# KiCad board kharon386_top.kicad_pcb (continued)
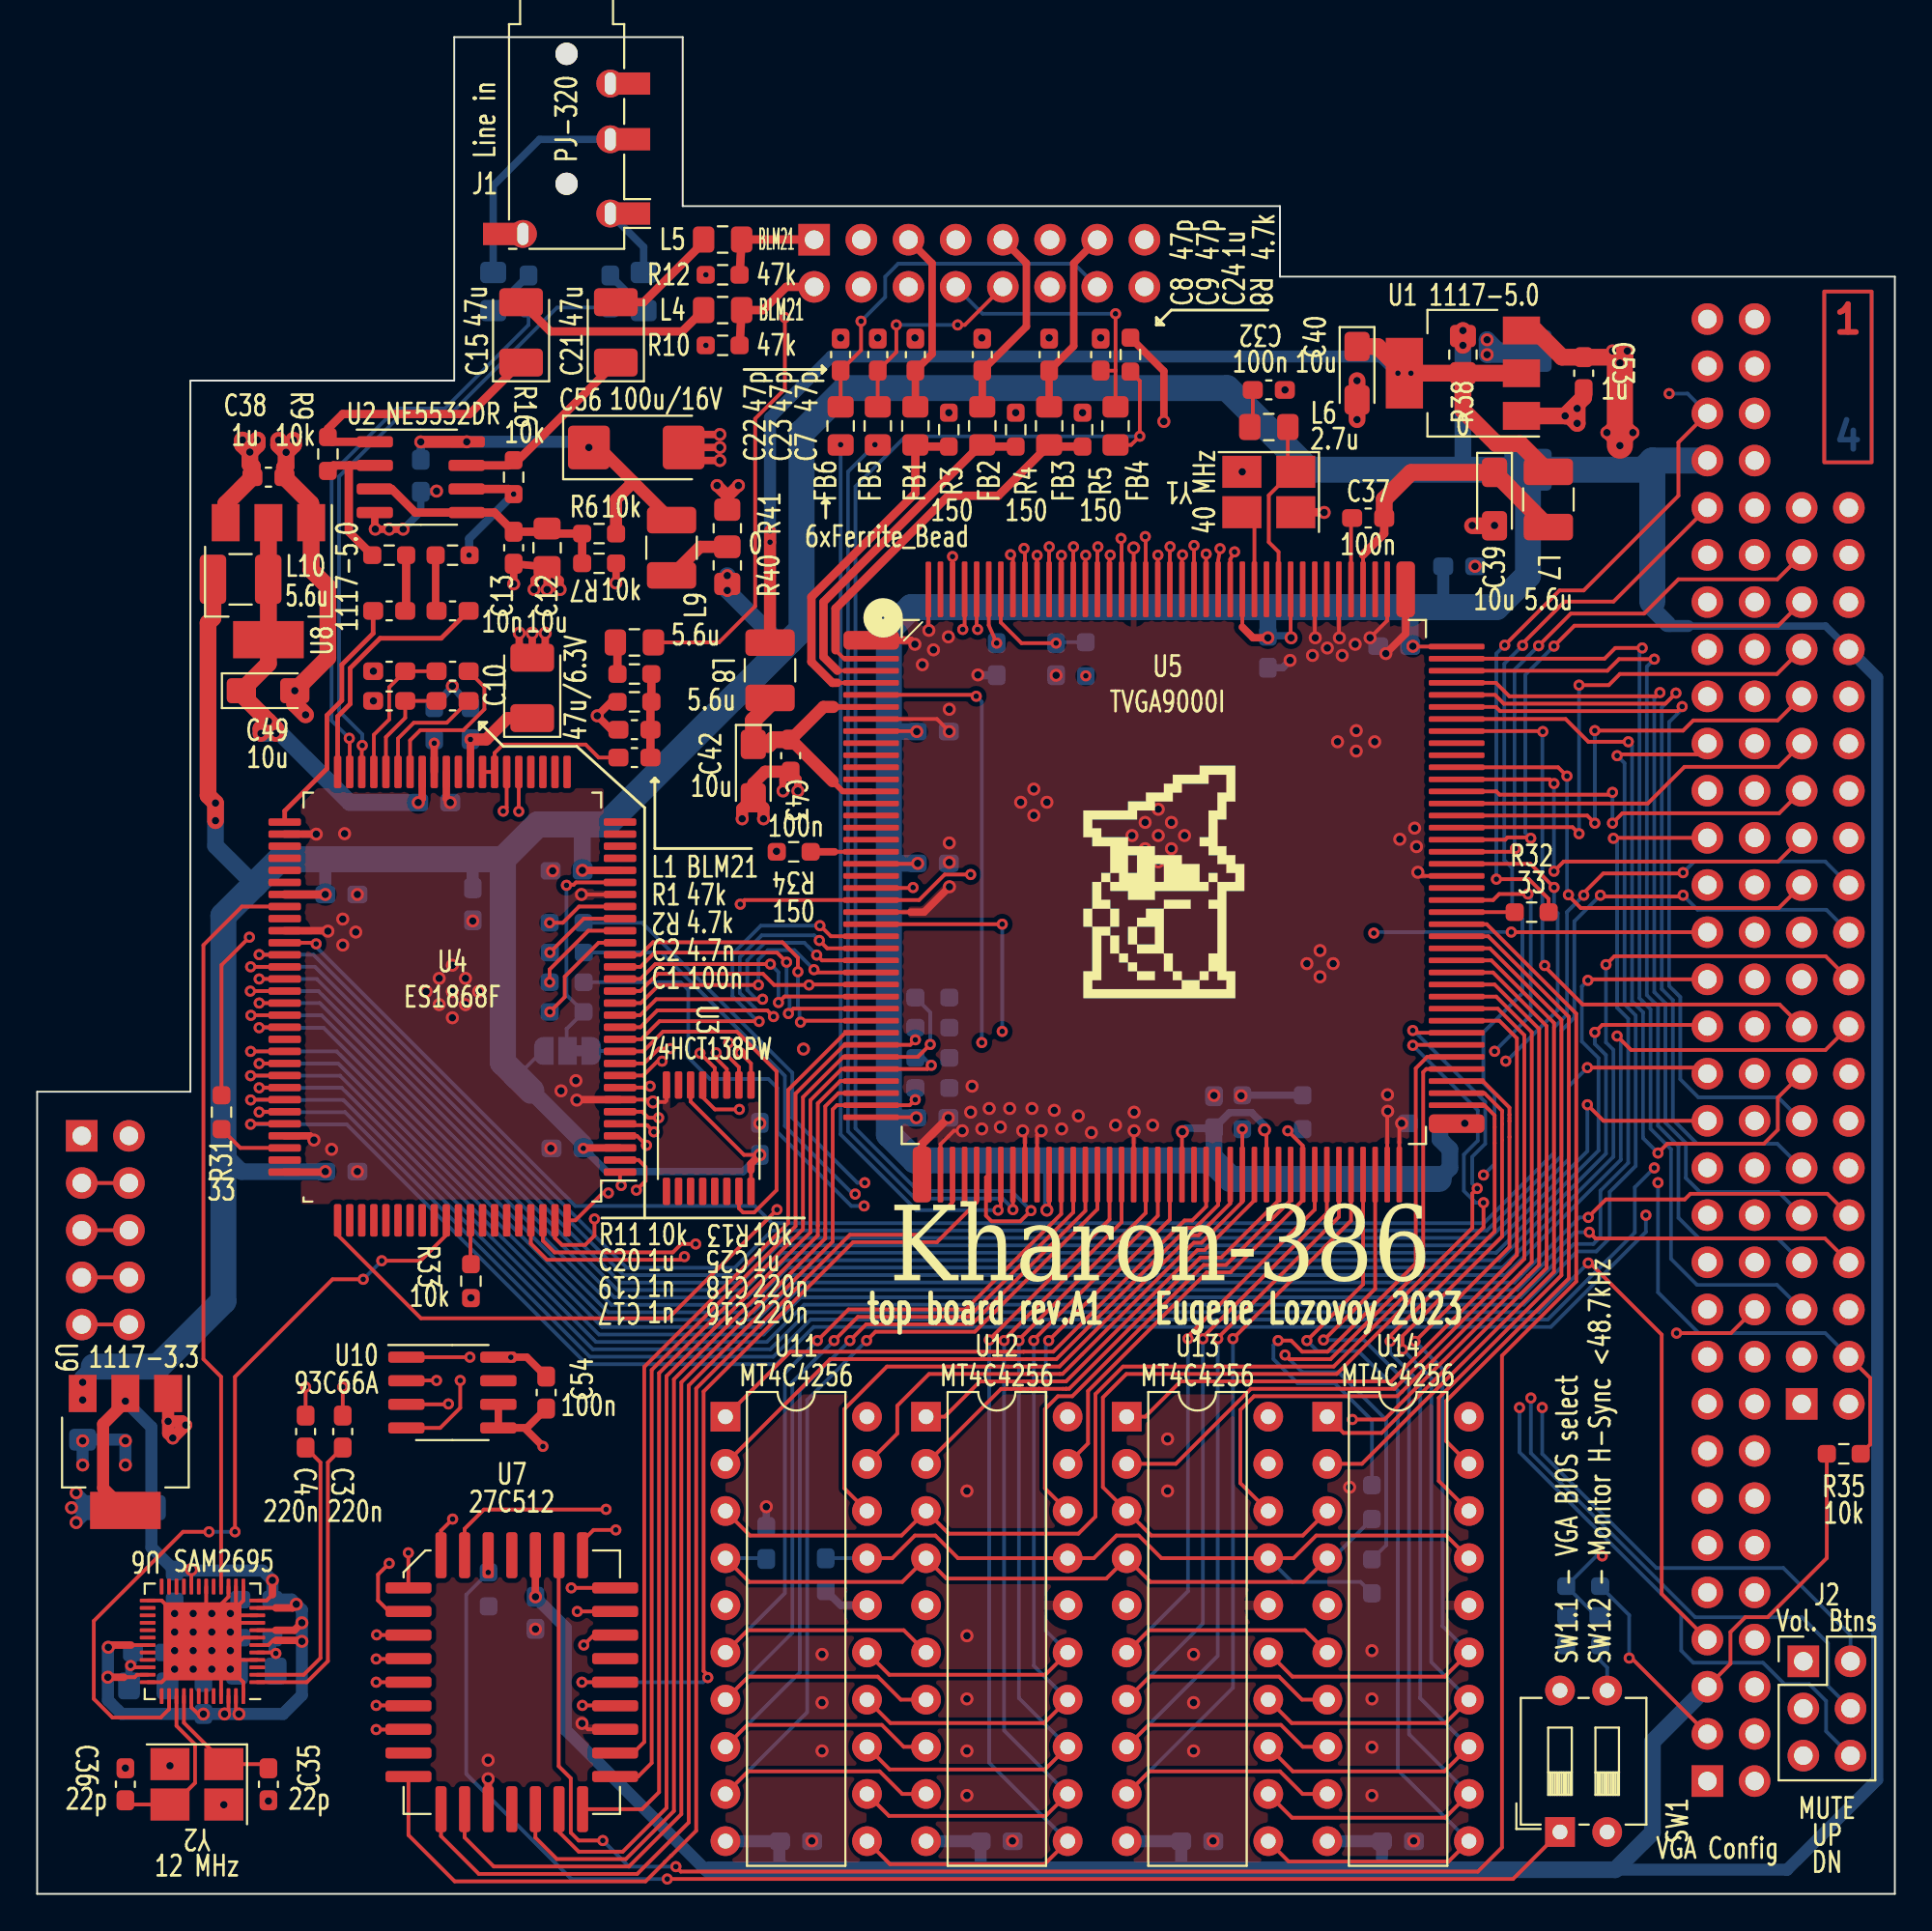
[diagram p0: board, top side]
## Footprints (pads in the part's own frame, mm; a bottom-side part is the same pattern mirrored in y, then rotated) (continued)
PQFP-100_14x20mm_P0.65mm_ESxxx
  rrect 1.75x0.4 smd: 1(-9.025,9.425) 2(-9.025,8.775) 3(-9.025,8.125) 4(-9.025,7.475) 5(-9.025,6.825) 6(-9.025,6.175) 7(-9.025,5.525) 8(-9.025,4.875) 9(-9.025,4.225) 10(-9.025,3.575) 11(-9.025,2.925) 12(-9.025,2.275) 13(-9.025,1.625) 14(-9.025,0.975) 15(-9.025,0.325) 16(-9.025,-0.325) 17(-9.025,-0.975) 18(-9.025,-1.625) 19(-9.025,-2.275) 20(-9.025,-2.925) 21(-9.025,-3.575) 22(-9.025,-4.225) 23(-9.025,-4.875) 24(-9.025,-5.525) 25(-9.025,-6.175) 26(-9.025,-6.825) 27(-9.025,-7.475) 28(-9.025,-8.125) 29(-9.025,-8.775) 30(-9.025,-9.425) 51(9.025,-9.425) 52(9.025,-8.775) 53(9.025,-8.125) 54(9.025,-7.475) 55(9.025,-6.825) 56(9.025,-6.175) 57(9.025,-5.525) 58(9.025,-4.875) 59(9.025,-4.225) 60(9.025,-3.575) 61(9.025,-2.925) 62(9.025,-2.275) 63(9.025,-1.625) 64(9.025,-0.975) 65(9.025,-0.325) 66(9.025,0.325) 67(9.025,0.975) 68(9.025,1.625) 69(9.025,2.275) 70(9.025,2.925) 71(9.025,3.575) 72(9.025,4.225) 73(9.025,4.875) 74(9.025,5.525) 75(9.025,6.175) 76(9.025,6.825) 77(9.025,7.475) 78(9.025,8.125) 79(9.025,8.775) 80(9.025,9.425)
  rrect 0.4x1.75 smd: 31(-6.175,-12.125) 32(-5.525,-12.125) 33(-4.875,-12.125) 34(-4.225,-12.125) 35(-3.575,-12.125) 36(-2.925,-12.125) 37(-2.275,-12.125) 38(-1.625,-12.125) 39(-0.975,-12.125) 40(-0.325,-12.125) 41(0.325,-12.125) 42(0.975,-12.125) 43(1.625,-12.125) 44(2.275,-12.125) 45(2.925,-12.125) 46(3.575,-12.125) 47(4.225,-12.125) 48(4.875,-12.125) 49(5.525,-12.125) 50(6.175,-12.125) 81(6.175,12.025) 82(5.525,12.025) 83(4.875,12.025) 84(4.225,12.025) 85(3.575,12.025) 86(2.925,12.025) 87(2.275,12.025) 88(1.625,12.025) 89(0.975,12.025) 90(0.325,12.025) 91(-0.325,12.025) 92(-0.975,12.025) 93(-1.625,12.025) 94(-2.275,12.025) 95(-2.925,12.025) 96(-3.575,12.025) 97(-4.225,12.025) 98(-4.875,12.025) 99(-5.525,12.025) 100(-6.175,12.025)
PQFP-160_28x28mm_P0.65mm_LongPads
  rrect 3x1 smd: 1(-15.748,13.018) 81(15.76,-13.018)
  rrect 3x0.3 smd: 2(-15.76,12.025) 3(-15.76,11.375) 4(-15.76,10.725) 5(-15.76,10.075) 6(-15.76,9.425) 7(-15.76,8.775) 8(-15.76,8.125) 9(-15.76,7.475) 10(-15.76,6.825) 11(-15.76,6.175) 12(-15.76,5.525) 13(-15.76,4.875) 14(-15.76,4.225) 15(-15.76,3.575) 16(-15.76,2.925) 17(-15.76,2.275) 18(-15.76,1.625) 19(-15.76,0.975) 20(-15.76,0.325) 21(-15.76,-0.325) 22(-15.76,-0.975) 23(-15.76,-1.625) 24(-15.76,-2.275) 25(-15.76,-2.925) 26(-15.76,-3.575) 27(-15.76,-4.225) 28(-15.76,-4.875) 29(-15.76,-5.525) 30(-15.76,-6.175) 31(-15.76,-6.825) 32(-15.76,-7.475) 33(-15.76,-8.125) 34(-15.76,-8.775) 35(-15.76,-9.425) 36(-15.76,-10.075) 37(-15.76,-10.725) 38(-15.76,-11.375) 39(-15.76,-12.025) 40(-15.76,-12.675) 82(15.76,-12.025) 83(15.76,-11.375) 84(15.76,-10.725) 85(15.76,-10.075) 86(15.76,-9.425) 87(15.76,-8.775) 88(15.76,-8.125) 89(15.76,-7.475) 90(15.76,-6.825) 91(15.76,-6.175) 92(15.76,-5.525) 93(15.76,-4.875) 94(15.76,-4.225) 95(15.76,-3.575) 96(15.76,-2.925) 97(15.76,-2.275) 98(15.76,-1.625) 99(15.76,-0.975) 100(15.76,-0.325) 101(15.76,0.325) 102(15.76,0.975) 103(15.76,1.625) 104(15.76,2.275) 105(15.76,2.925) 106(15.76,3.575) 107(15.76,4.225) 108(15.76,4.875) 109(15.76,5.525) 110(15.76,6.175) 111(15.76,6.825) 112(15.76,7.475) 113(15.76,8.125) 114(15.76,8.775) 115(15.76,9.425) 116(15.76,10.075) 117(15.76,10.725) 118(15.76,11.375) 119(15.76,12.025) 120(15.76,12.675)
  rrect 1x3 smd: 41(-13.018,-15.76) 121(13.018,15.76)
  rrect 0.3x3 smd: 42(-12.025,-15.76) 43(-11.375,-15.76) 44(-10.725,-15.76) 45(-10.075,-15.76) 46(-9.425,-15.76) 47(-8.775,-15.76) 48(-8.125,-15.76) 49(-7.475,-15.76) 50(-6.825,-15.76) 51(-6.175,-15.76) 52(-5.525,-15.76) 53(-4.875,-15.76) 54(-4.225,-15.76) 55(-3.575,-15.76) 56(-2.925,-15.76) 57(-2.275,-15.76) 58(-1.625,-15.76) 59(-0.975,-15.76) 60(-0.325,-15.76) 61(0.325,-15.76) 62(0.975,-15.76) 63(1.625,-15.76) 64(2.275,-15.76) 65(2.925,-15.76) 66(3.575,-15.76) 67(4.225,-15.76) 68(4.875,-15.76) 69(5.525,-15.76) 70(6.175,-15.76) 71(6.825,-15.76) 72(7.475,-15.76) 73(8.125,-15.76) 74(8.775,-15.76) 75(9.425,-15.76) 76(10.075,-15.76) 77(10.725,-15.76) 78(11.375,-15.76) 79(12.025,-15.76) 80(12.675,-15.76) 122(12.025,15.76) 123(11.375,15.76) 124(10.725,15.76) 125(10.075,15.76) 126(9.425,15.76) 127(8.775,15.76) 128(8.125,15.76) 129(7.475,15.76) 130(6.825,15.76) 131(6.175,15.76) 132(5.525,15.76) 133(4.875,15.76) 134(4.225,15.76) 135(3.575,15.76) 136(2.925,15.76) 137(2.275,15.76) 138(1.625,15.76) 139(0.975,15.76) 140(0.325,15.76) 141(-0.325,15.76) 142(-0.975,15.76) 143(-1.625,15.76) 144(-2.275,15.76) 145(-2.925,15.76) 146(-3.575,15.76) 147(-4.225,15.76) 148(-4.875,15.76) 149(-5.525,15.76) 150(-6.175,15.76) 151(-6.825,15.76) 152(-7.475,15.76) 153(-8.125,15.76) 154(-8.775,15.76) 155(-9.425,15.76) 156(-10.075,15.76) 157(-10.725,15.76) 158(-11.375,15.76) 159(-12.025,15.76) 160(-12.675,15.748)
QFN-48-1EP_6x6mm_P0.4mm_EP4.2x4.2mm
  rrect 1.13x1.13 smd: (-1.4,1.4) (-1.4,0) (-1.4,-1.4) (0,1.4) (0,0) (0,-1.4) (1.4,1.4) (1.4,0) (1.4,-1.4)
  rrect 0.85x0.2 smd: 1(-2.95,2.2) 2(-2.95,1.8) 3(-2.95,1.4) 4(-2.95,1) 5(-2.95,0.6) 6(-2.95,0.2) 7(-2.95,-0.2) 8(-2.95,-0.6) 9(-2.95,-1) 10(-2.95,-1.4) 11(-2.95,-1.8) 12(-2.95,-2.2) 25(2.95,-2.2) 26(2.95,-1.8) 27(2.95,-1.4) 28(2.95,-1) 29(2.95,-0.6) 30(2.95,-0.2) 31(2.95,0.2) 32(2.95,0.6) 33(2.95,1) 34(2.95,1.4) 35(2.95,1.8) 36(2.95,2.2)
  rrect 0.2x0.85 smd: 13(-2.2,-2.95) 14(-1.8,-2.95) 15(-1.4,-2.95) 16(-1,-2.95) 17(-0.6,-2.95) 18(-0.2,-2.95) 19(0.2,-2.95) 20(0.6,-2.95) 21(1,-2.95) 22(1.4,-2.95) 23(1.8,-2.95) 24(2.2,-2.95) 37(2.2,2.95) 38(1.8,2.95) 39(1.4,2.95) 40(1,2.95) 41(0.6,2.95) 42(0.2,2.95) 43(-0.2,2.95) 44(-0.6,2.95) 45(-1,2.95) 46(-1.4,2.95) 47(-1.8,2.95) 48(-2.2,2.95)
  rect 4.2x4.2 smd: 49(0,0)
R_0603_1608Metric_Pad0.98x0.95mm_HandSolder
  rrect 0.975x0.95 smd: 1(-0.912,0) 2(0.912,0)
R_0805_2012Metric_Pad1.20x1.40mm_HandSolder
  rrect 1.2x1.4 smd: 1(-1,0) 2(1,0)
SOIC-8_3.9x4.9mm_P1.27mm
  rrect 1.95x0.6 smd: 1(-2.475,1.905) 2(-2.475,0.635) 3(-2.475,-0.635) 4(-2.475,-1.905) 5(2.475,-1.905) 6(2.475,-0.635) 7(2.475,0.635) 8(2.475,1.905)
SolderJumper-3_P1.3mm_Bridged12_RoundedPad1.0x1.5mm_NumberLabels
  custom 1.05x1.5 smd: 1(-1.3,0) 3(1.3,0)
  rect 1x1.5 smd: 2(0,0)
SOT-223-3_TabPin2
  rect 2x1.5 smd: 1(-3.15,2.3) 2(-3.15,0) 3(-3.15,-2.3)
  rect 2x3.8 smd: 2(3.15,0)
SW_DIP_SPSTx02_Slide_6.7x6.64mm_W7.62mm_P2.54mm_LowProfile
  rect 1.6x1.6 hole 0.8: 1(0,0)
  oval 1.6x1.6 hole 0.8: 2(0,-2.54) 3(7.62,-2.54) 4(7.62,0)
TSSOP-16_4.4x5mm_P0.65mm
  rrect 1.475x0.4 smd: 1(-2.862,2.275) 2(-2.862,1.625) 3(-2.862,0.975) 4(-2.862,0.325) 5(-2.862,-0.325) 6(-2.862,-0.975) 7(-2.862,-1.625) 8(-2.862,-2.275) 9(2.862,-2.275) 10(2.862,-1.625) 11(2.862,-0.975) 12(2.862,-0.325) 13(2.862,0.325) 14(2.862,0.975) 15(2.862,1.625) 16(2.862,2.275)

## Nets
+3V3: C45.1 C46.2 C47.2 C48.2 U6.6 U6.8 U6.11 U6.12 U6.20 U6.31 U6.35 U6.41 U6.46 U6.47 U9.2
+5V: C44.2 C50.1 C51.1 C52.1 C54.1 C58.1 C59.1 C60.1 C61.1 C62.1 C63.1 C64.1 C65.1 C66.1 C67.1 C68.1 C69.1 C70.1 C71.1 C72.1 C73.1 C74.1 J5.34 J6.5 J6.57 JP2.3 L10.1 R8.1 R35.1 R38.1 R40.1 SW1.4 U3.6 U3.16 U4.3 U4.26 U4.57 U4.80 U5.8 U5.19 U5.40 U5.51 U5.62 U5.69 U5.81 U5.120 U5.130 U5.134 U7.32 U9.3 U10.8 U11.10 U12.10 U13.10 U14.10
+12V: C38.1 C53.1 J6.17 R41.1 U1.3 U8.3
/AVDD1: C37.2 C39.1 L7.2 U5.124
/AVDD2: C42.1 C43.1 L8.2 U5.6 U5.13
/AVDD_ES: C49.1 C55.1 L10.2 U4.43 U8.2
/AVDD_OP: C56.1 C57.1 L9.2 R6.2 U2.8
GND: C2.1 C7.2 C8.2 C9.2 C10.2 C11.2 C12.1 C13.1 C14.2 C17.2 C19.2 C22.2 C23.2 C24.2 C26.1 C27.1 C28.2 C29.2 C30.1 C31.1 C32.1 C33.1 C34.1 C35.1 C36.1 C38.2 C39.2 C40.2 C41.2 C42.2 C43.2 C44.1 C45.2 C46.1 C47.1 C48.1 C49.2 C50.2 C51.2 C52.2 C53.2 C54.2 C55.2 C56.2 C57.2 C58.2 C59.2 C60.2 C61.2 C62.2 C63.2 C64.2 C65.2 C66.2 C67.2 C68.2 C69.2 C70.2 C71.2 C72.2 C73.2 C74.2 J1.R2 J1.S J2.1 J2.3 J2.5 J3.3 J3.4 J3.7 J3.11 J3.12 J5.1 J5.2 J5.38 J5.40 J6.1 J6.61 J6.63 J6.64 JP2.1 R2.2 R3.2 R4.2 R5.2 R7.1 R10.1 R12.1 R19.1 R21.1 R22.1 R23.1 R24.1 R25.1 R28.2 R33.2 R34.2 R37.1 U1.1 U2.4 U3.8 U4.7 U4.24 U4.41 U4.52 U4.60 U4.77 U5.1 U5.7 U5.23 U5.41 U5.42 U5.49 U5.50 U5.58 U5.79 U5.80 U5.101 U5.121 U5.122 U5.126 U5.128 U5.143 U5.160 U6.4 U6.7 U6.9 U6.10 U6.13 U6.14 U6.15 U6.18 U6.25 U6.36 U6.45 U6.48 U6.49 U7.16 U7.23 U8.1 U9.1 U10.5 U10.6 U11.16 U11.20 U12.16 U12.20 U13.16 U13.20 U14.16 U14.20 Y1.2 Y1.4 Y2.2 Y2.4
/A0: J6.62 U4.99 U5.135
/A1: J6.60 U4.100 U5.136 U7.11
/A2: J6.58 U4.1 U5.137 U7.10
/A3: J6.56 U4.2 U5.138 U7.9
/A4: J6.54 U4.4 U5.139 U7.8
/A5: J6.52 U4.5 U5.140 U7.7
/A6: J6.50 U4.6 U5.141 U7.6
/A7: J6.48 U4.8 U5.142 U7.5
/A8: J6.46 U4.9 U5.144 U7.4
/A9: J6.44 U4.10 U5.145 U7.29
/A10: J6.42 U4.97 U5.146 U7.28
/A11: J6.40 U4.98 U5.147 U7.24
/A12: J6.38 U3.4 U5.148 U7.27
/A13: J6.36 U3.3 U5.149 U7.3
/A14: J6.34 U3.2 U5.150 U7.30
/A15: J6.32 U3.1 U5.151
/A16: J6.30 U5.152
/AEN: J6.22 U3.5 U5.22
/ALE: J6.55 U5.21
/AOUT_L: J3.1 L5.2 R12.2
/AOUT_R: J3.2 L4.2 R10.2
/B: FB3.1 R5.1 U5.2
/D0: J6.18 U4.12 U5.25
/D1: J6.16 U4.13 U5.26
/D2: J6.14 U4.14 U5.27
/D3: J6.12 U4.15 U5.28
/D4: J6.10 U4.16 U5.29
/D5: J6.8 U4.17 U5.30
/D6: J6.6 U4.18 U5.31
/D7: J6.4 U4.19 U5.32
/D8: J5.23 U5.110
/D9: J5.25 U5.109
/D10: J5.27 U5.108
/D11: J5.29 U5.107
/D12: J5.31 U5.106
/D13: J5.33 U5.105
/D14: J5.35 U5.104
/D15: J5.37 U5.103
/DACK0: J5.18 U4.68
/DACK1: J6.33 U4.66
/DACK3: J6.29 U4.64
/DACK5: J5.22 U4.62
/DRQ0: J5.20 U4.67
/DRQ1: J6.35 U4.65
/DRQ3: J6.31 U4.63
/DRQ5: J5.24 U4.61
/G: FB2.1 R4.1 U5.3
/HSYNC: FB5.1 U5.48
/IOCHRDY: J6.20 U5.157
/IRQ5: J6.45 U4.73
/IRQ7: J6.41 U4.72
/IRQ9: J6.7 U4.74
/IRQ10: J5.8 U4.71
/IRQ11: J5.10 U4.70
/LA17: J5.17 U5.113
/LA18: J5.15 U5.114
/LA19: J5.13 U5.115
/LA20: J5.11 U5.116
/LA21: J5.9 U5.117
/LA22: J5.7 U5.118
/LA23: J5.5 U5.119
/LINE_L: J1.T L2.2
/LINE_R: J1.R1 L3.2
/MAA0: U5.52 U11.6 U12.6
/MAA1: U5.53 U11.7 U12.7
/MAA2: U5.54 U11.8 U12.8
/MAA3: U5.55 U11.9 U12.9
/MAA4: U5.56 U11.11 U12.11
/MAA5: U5.57 U11.12 U12.12
/MAA6: U5.59 U11.13 U12.13
/MAA7: U5.60 U11.14 U12.14
/MAA8: U5.61 U11.15 U12.15
/MAB0: U5.73 U13.6 U14.6
/MAB1: U5.74 U13.7 U14.7
/MAB2: U5.75 U13.8 U14.8
/MAB3: U5.76 U13.9 U14.9
/MAB4: U5.77 U13.11 U14.11
/MAB5: U5.78 U13.12 U14.12
/MAB6: U5.82 U13.13 U14.13
/MAB7: U5.83 U13.14 U14.14
/MAB8: U5.84 U13.15 U14.15
/MD0: U5.64 U11.1
/MD1: U5.65 U11.2
/MD2: SW1.2 U5.66 U11.18
/MD3: R22.2 U5.67 U11.19
/MD4: U5.68 U12.1
/MD5: U5.70 U12.2
/MD6: U5.71 U12.18
/MD7: R24.2 U5.72 U12.19
/MD16: U5.89 U13.1
/MD17: U5.90 U13.2
/MD18: U5.91 U13.18
/MD19: U5.92 U13.19
/MD20: U5.93 U14.1
/MD21: U5.94 U14.2
/MD22: U5.95 U14.18
/MD23: U5.96 U14.19
/MIDI_L: C3.2 U6.1
/MIDI_R: C4.2 U6.2
/Monitor: FB4.1 R8.2 U5.46
/MSO: U4.58 U6.16
/OSC: J6.59 R31.2 R32.2
/R: FB1.1 R3.1 U5.4
/RESET: C41.1 R36.2 U4.81 U5.5
/RMD0: U5.43 U7.13
/RMD1: R19.2 U5.39 U7.14
/RMD2: U5.38 U7.15
/RMD3: U5.37 U7.18
/RMD4: R25.2 U5.36 U7.19
/RMD5: R37.2 U5.35 U7.20
/RMD6: R23.2 U5.34 U7.21
/RMD7: U5.33 U7.22
/ROMBA0: U5.97 U7.31
/SPKR: J3.16 L1.2
/VGA_B: C9.1 FB3.2 J3.13
/VGA_G: C8.1 FB2.2 J3.9
/VGA_HS: C23.1 FB5.2 J3.10
/VGA_MON: C24.1 FB4.2 J3.8
/VGA_R: C7.1 FB1.2 J3.5
/VGA_VS: C22.1 FB6.2 J3.14
/VGABIOS: R28.1 SW1.1 U7.2
/VSYNC: FB6.1 U5.47
/~{CAS}: C26.2 R17.2 U11.17 U12.17 U13.17 U14.17
/~{IOR}: J6.27 U4.75 U5.153
/~{IOW}: J6.25 R20.2 U4.76
/~{MEMCS16}: J5.4 R35.2 U5.102
/~{MEMR}: C29.1 J6.23 U5.155
/~{MEMW}: J6.21 U5.156
/~{NMI}: J6.2 U5.24
/~{RAS}: C27.2 R18.2 U11.4 U12.4 U13.4 U14.4
/~{REFRESH}: J6.37 U5.158
/~{ROMCS}: U5.45 U7.25
/~{RSTB}: U4.90 U6.38
/~{SBHE}: J5.3 U5.99
/~{WE0}: U5.88 U11.3 U12.3
/~{WE2}: U5.87 U13.3 U14.3
Net-(C1-Pad2): C1.2 C2.2 R1.2 R2.1
Net-(C5-Pad2): C5.2 L2.1
Net-(C6-Pad2): C6.2 L3.1
Net-(C15-Pad1): C15.1 R9.1 U2.1
Net-(C15-Pad2): C15.2 L4.1
Net-(C20-Pad2): C20.2 R11.2
Net-(C21-Pad1): C21.1 R16.1 U2.7
Net-(C21-Pad2): C21.2 L5.1
Net-(C25-Pad2): C25.2 R13.2
Net-(C32-Pad2): C32.2 L6.1
Net-(J2-Pin_2): J2.2 R26.1
Net-(J2-Pin_4): J2.4 R27.1
Net-(J2-Pin_6): J2.6 R29.1
Net-(J4-Pin_3): J4.3 J4.4
Net-(J4-Pin_5): J4.5 J4.6
Net-(J4-Pin_7): J4.7 J4.8
Net-(J4-Pin_10): J4.9 J4.10
Net-(J6-Pin_3): J6.3 R36.1
Net-(JP2-C): JP2.2 R30.1 U4.25
Net-(L1-Pad1): L1.1 R1.1
Net-(L9-Pad1): L9.1 R40.2 R41.2
Net-(R21-Pad2): R21.2 SW1.3
Net-(U1-VO): C40.1 L7.1 L8.1 R38.2 U1.2
Net-(U2A-+): C12.2 C13.2 R6.1 R7.2 U2.3 U2.5
Net-(U2A--): R9.2 R11.1 U2.2
Net-(U2B--): R13.1 R16.2 U2.6
Net-(U3-O0): U3.15 U4.11
Net-(U4-AOUT_L): C25.1 U4.50
Net-(U4-AOUT_R): C20.1 U4.51
Net-(U4-AUXA_L): C1.1 U4.37 U4.38
Net-(U4-AUXB_L): C3.1 U4.35
Net-(U4-AUXB_R): C4.1 U4.36
Net-(U4-CIN_L): C16.2 C17.1 U4.46
Net-(U4-CIN_R): C18.2 C19.1 U4.47
Net-(U4-CMR): C10.1 C11.1 U4.39
Net-(U4-FOUT_L): C16.1 U4.45
Net-(U4-FOUT_R): C18.1 U4.44
Net-(U4-GPIRQ): R33.1 U4.92
Net-(U4-LINE_L): C5.1 U4.48
Net-(U4-LINE_R): C6.1 U4.49
Net-(U4-VREF): C14.1 U4.42
Net-(U4-XI): R31.1 U4.78
Net-(U5-IRSET): R34.1 U5.18
Net-(U5-ROMCLK): R32.1 U5.98
Net-(U5-VLF): C37.1 U5.125
Net-(U5-XTL1): L6.2 U5.131 Y1.1
Net-(U5-XTL2): U5.133 Y1.3
Net-(U5-~{CAS}): R17.1 U5.85
Net-(U5-~{IOW}): C28.1 R20.1 U5.154
Net-(U5-~{RAS}): R18.1 U5.86
Net-(U6-OUTVC12): C33.2 C34.2 U6.34
Net-(U6-VCM): C30.2 C31.2 U6.5
Net-(U6-X1): C36.2 U6.39 Y2.3
Net-(U6-X2): C35.2 U6.40 Y2.1
Net-(U10-CS): R30.2 U4.20 U10.1
Net-(U10-DI): R27.2 U4.22 U10.3
Net-(U10-DO): R29.2 U4.21 U10.4
Net-(U10-SCLK): R26.2 U4.23 U10.2

Pads without a net: J3 6 15; J4 1 2; J5 6 12 14 16 19 21 26 28 30 32 36 39; J6 9 11 13 15 19 24 26 28 39 43 47 49 51 53; U3 7 9 10 11 12 13 14; U4 27 28 29 30 31 32 33 34 40 53 54 55 56 59 69 79 82 83 84 85 86 87 88 89 91 93 94 95 96; U5 9 10 11 12 14 15 16 17 20 44 63 100 111 112 123 127 129 132 159; U6 3 17 19 21 22 23 24 26 27 28 29 30 32 33 37 42 43 44; U7 1 12 17 26; U10 7; U11 5; U12 5; U13 5; U14 5

## Via types
v1: diameter 0.7, hole 0.4, Top to Bottom, 263 vias
v2: diameter 0.6, hole 0.3, Top to Bottom, 237 vias

## Routing (per net, layer and track width the routed paths; a pad name or vN(x,y) marks a point on that pad's centre or on a via; arc(x,y) is an arc through that point)
+3V3: length 61.8
  Top w0.2: 12.66,16.11 12.35,15.8 U6.12 ; 12.85,13.65 12.7,13.65 12.45,13.4 U6.6 ; U6.8 12.85,14.2 ; v1(8.3,17.47) U6.20 ; U6.11 12.85,15.4 ; v1(10.09,9.69) 10.3,9.9 U6.46 ; 4.67,11.67 5.25,11.67 5.38,11.8 U6.35 ; v1(8.95,9.68) 8.67,9.68 8.3,10.05 U6.41 ; v1(10.86,9.69) 10.7,9.85 U6.47 ; U6.31 5.05,13.4
  Top w0.4: 12.85,14.2 13.85,14.2 v1(14.25,14.6) ; v1(14.25,13.6) 14.2,13.65 12.85,13.65 ; v1(3.81,11.67) 4.67,11.67 ; 12.85,15.4 13.75,15.4 v1(13.95,15.6) ; v1(3.83,13.28) 3.95,13.4 5.05,13.4 ; 12.66,16.11 v1(12.66,16.89)
  Top w0.65: U9.2 3.55,21.85 3.55,25.3 4.75,26.5
  Bottom w0.65: v1(3.83,13.28) 3.81,13.26 v1(3.81,11.67) 3.81,10.43 4.55,9.69 8.94,9.69 v1(8.95,9.68) C47.2 v1(10.09,9.69) v1(10.86,9.69) 13.24,9.69 14.25,10.7 v1(14.25,13.6) v1(14.25,14.6) 14.25,15.3 v1(13.95,15.6) 13.7,15.85 C48.2 v1(12.66,16.89) 12.14,17.41 C46.2 6.15,18.66 6.15,25.14 v1(4.75,26.54)
+5V: length 595.8
  Top w0.2: U5.51 54.47,36.95 v1(54.35,36.83) ; U5.69 66.18,41.04 v1(66.07,41.15) ; J6.5 91.15,12.39 91.15,14.1 91.95,14.9 93.15,14.9 96.34,18.09 R35.1 ; v1(61.65,41.05) 61.62,41.02 U5.62 ; v1(74.05,67.2) 74.07,67.17 U5.120 ; U5.40 47.3,41.82 v1(47.32,41.8) ; U3.6 35.18,42.67 38.05,39.8 v1(38.9,39.8) ; 44.89,55.47 47.38,55.47 v1(47.4,55.5) ; U5.130 67.47,67.68 v1(67.5,67.65) ; U5.8 47.32,62.62 ; U5.134 64.88,68.22 ; 38.43,38.97 U3.16
  Top w0.4: 38.43,38.97 38.43,39.32 v1(38.9,39.8) ; v1(29.35,55.12) U4.26 ; C54.1 26.36,28.9 24.83,28.9 25.5,28.9 v2(25.5,28.9) ; v1(60.65,79.3) 60.65,82.01 R8.1 ; U4.3 29.43,40.17 v2(29.4,40.15) ; 13.33,38.87 15.49,38.87 v1(15.51,38.9) ; v1(26.83,16) 26.82,16 U7.32 ; v1(66.25,67.65) 65.45,67.65 64.88,68.22
  Top w0.45: 13.33,53.82 v1(15.51,53.82)
  Top w0.65: v1(37.15,71) v1(37.15,70.2)
  Top w0.9: L10.1 9.46,68.71 9.2,68.45 9.2,59.15 v1(9.6,58.75) v1(9.6,57.8) ; v1(76.75,83.4) v1(76.75,84.2)
  Bottom w0.2: 27.2,45.4 25.88,44.07 25.78,44.07 ; v1(54.35,36.83) 54.25,36.93 54.25,39.5 ; v1(66.25,67.65) C60.1
  Bottom w0.4: v1(66.07,41.15) 66.07,41.38 65.38,42.07 64.19,42.07 C61.1 61.84,41.24 v1(61.65,41.05) ; C60.1 67.39,67.76 v1(67.5,67.65) ; C50.1 v1(76.85,41.5) ; 88.87,68.28 96.27,68.28 J5.34 ; C67.1 30.66,38.9 38,38.9 v1(38.9,39.8) ; v1(60.65,79.3) 60.65,81.1
  Bottom w0.45: 61.59,1.36 61.65,1.3 ; 72.39,1.34 72.35,1.3 ; 47.85,2.83 U12.10 ; 37.06,2.83 U11.10 ; 50.79,1.44 50.65,1.3 ; 58.66,2.83 U13.10 ; 69.46,2.83 U14.10
  Bottom w0.65: 47.85,2.83 C70.1 50.79,1.44 ; 61.59,1.36 C72.1 58.66,2.83 ; 39.95,2.8 39.95,1.7 40.35,1.3 ; 72.39,1.34 C73.1 69.46,2.83 ; 75.65,69.3 75.69,69.34 C52.1 ; v1(15.51,53.82) 15.51,55.74 15.5,55.75 ; J5.34 99.05,65.5 99.05,6.15 94.2,1.3 84.95,1.3 ; 23.87,55.72 23.45,55.3 C51.1 ; 87.76,68.41 87.89,68.28 88.87,68.28 ; v1(26.83,16) 26.83,15.96 28.45,14.34 28.45,8.82 35.97,1.3 36.15,1.3 ; 40.53,67.47 40.22,67.47 ; C71.1 37.06,2.83
  Bottom w0.9: 11.7,54.35 9.6,56.45 v1(9.6,57.8) v1(9.6,58.75) ; v1(37.15,71) v1(37.15,70.2) 39.88,67.47 40.22,67.47 ; 76.75,76.9 v1(76.75,83.4) v1(76.75,84.2) ; J6.5 86.95,8.19 86.95,3.3 84.95,1.3 36.15,1.3 ; 63.25,39.5 63.35,39.6 C61.1 ; 28.95,57.6 29.35,57.2 v1(29.35,55.12) ; C50.1 75.51,40.64 76.05,40.1 76.05,39.1 75.45,38.5 ; 39.95,2.8 C71.1 ; 10.03,39.87 11,38.9 v1(15.51,38.9) ; C67.1 v2(29.4,40.15) 29.4,40.45 26.6,43.25 ; 75.65,69.3 74.05,69.3 73.91,69.16 C59.1 ; 86.94,69.6 86.94,69.22 87.76,68.41 ; C44.2 2.45,27.8 3.05,28.4 ; v1(47.35,62.6) 45.95,62.6 45.85,62.5 ; 66.25,69.3 C60.1 ; C63.1 45.85,55.5 ; 45.85,41.7 45.95,41.8 v1(47.32,41.8)
  Bottom w1.4: C74.1 68.45,76.7 64.05,81.1 43.55,81.1 41.15,78.7 41.15,68.1 30.65,57.6 26.95,57.6 25.07,55.72 ; C74.1 80.25,71 78.55,69.3 47.05,69.3 45.85,68.1 45.85,40.9 47.25,39.5 63.25,39.5 64.25,38.5 75.45,38.5 ; C74.1 86.45,76.7 86.94,77.19 ; 3.05,28.4 6.5,28.4 10.03,31.92 10.03,52.67 13.07,55.72 25.07,55.72 ; 86.94,77.19 J6.57 ; 86.94,77.19 86.94,69.6 ; 25.07,55.72 25.07,44.78 26.6,43.25
  vias: v1(2.45,27.55) v1(2.45,26.6)
+12V: length 178.8
  Top w0.65: v1(11.45,77.65) 11.45,77.9 ; 11.45,77.9 v1(11.85,78.3) ; 11.45,77.9 v1(11.05,78.3) ; v1(36.6,75.85) 37.15,75.3 R41.1 37.15,75.25 v1(37.75,75.85) ; v1(84.8,83.1) 84.8,82.8 85.2,82.4 ; v1(85.6,83.1) 85.6,82.7 85.3,82.4 ; 85.25,78.05 v1(85.9,78.7) 85.2,79.4 v1(84.5,78.7) v1(85.2,78)
  Top w0.9: 11.46,77.91 v1(11.85,78.3) 11.85,78.05 v1(11.45,77.65) ; 85.14,82.76 C53.1 82.09,82.76 80.65,84.2 U1.3 ; U8.3 10.15,74.86 C38.1 11.59,76.86 11.45,77 v1(11.45,77.65) ; v1(11.45,77.65) 11.05,78.05 v1(11.05,78.3) 11.46,77.89
  Top w1.4: 85.14,82.76 85.2,82.7 v1(85.2,78)
  In1.Cu w0.65: 84.55,78.7 85.95,78.7 ; v1(85.9,78.7) v1(85.2,78) v1(84.5,78.7)
  In1.Cu w1.4: J6.17 87.56,26.39 85.05,28.9 85.05,40.5 87.1,42.55 87.1,62.65 85.15,64.6 85.15,77.9
  In2.Cu w0.65: v1(11.05,78.3) 11.45,78.7 ; 11.45,78.7 v1(11.45,77.65) ; 11.45,78.7 v1(11.85,78.3) ; v1(84.8,83.1) 84.8,82.85 v1(85.2,82.45) 85.6,82.85 v1(85.6,83.1)
  In2.Cu w0.9: 42.3,80.35 42.25,80.35 v1(37.75,75.85) v1(36.6,75.85) ; 42.3,80.35 12.88,80.35 11.45,78.92 v1(11.45,77.65) ; 42.3,80.35 43.75,81.8 61.85,81.8 65.25,85.2 84.1,85.2 85.2,84.1 85.2,82.55
/AVDD1: length 16
  Top w0.2: U5.124 71.38,72.12
  Top w0.45: 71.38,72.12 72.51,73.26 C37.2
  Top w0.9: C37.2 72.51,75.11 73.96,76.56 C39.1 L7.2
/AVDD2: length 15.5
  Top w0.3: U5.13 43.37,59.37 42.82,59.92 ; U5.6 42.85,63.92
  Top w0.4: C43.1 40.58,62.16
  Top w0.65: 42.85,63.92 42.32,63.92 C43.1 ; 40.58,62.16 42.82,59.92
  Top w0.9: C43.1 39.61,62.16 39.36,61.91 C42.1 38.55,63.2 39.45,64.1 L8.2
/AVDD_ES: length 30.2
  Top w0.4: U4.43 20.72,58.99 v1(20.51,58.77)
  Top w0.65: 12.45,62.9 v1(12.05,62.5) ; 12.45,62.9 v1(12.45,63.15) ; 12.45,62.9 v1(12.85,62.5)
  Top w0.9: U8.2 U8.2 12.45,66.26 C49.1 10.99,64.61 v1(12.45,63.15) ; v1(12.45,63.15) 12.05,62.75 v1(12.05,62.5) ; v1(12.45,63.15) 12.85,62.75 v1(12.85,62.5)
  Bottom w0.65: 12.45,62.9 v1(12.85,62.5) 12.85,62.75 v1(12.45,63.15) 12.45,62.9 ; 12.45,62.9 v1(12.05,62.5)
  Bottom w0.9: 12.7,62.5 v1(12.05,62.5) 12.05,62.75 v1(12.45,63.15) 16.83,58.77 v1(20.51,58.77)
/AVDD_OP: length 19.4
  Top w0.45: 20.66,78.2 v1(20.65,78.2)
  Top w0.65: R6.2 31.16,75.11 32.09,76.04 ; v1(29.7,77.9) 30.24,77.9 32.09,76.04 ; v1(23.12,78.2) 20.66,78.2 ; 32.09,76.04 L9.2
  Bottom w0.45: v1(20.65,78.2) C57.1
  Bottom w0.65: v1(29.7,77.9) 29.4,78.2 v1(23.12,78.2)
GND: length 211.4
  Top w0.2: 47.03,52.87 U5.23 ; U5.101 74.52,54.82 v1(74.32,55.02) ; v1(53.05,41.1) 53.18,40.97 U5.49 ; U5.143 v1(59.03,72.49) ; U3.8 33.88,42.72 33.8,42.65 v1(33.15,42.65) 33.03,42.77 31.38,42.77 ; U6.10 10.5,15 v1(10.4,15.1) ; U6.45 9.9,11.6 v1(9.4,12.1) ; U7.23 29.65,8.86 v1(29.33,9.18) ; U5.160 47.97,68.08 v1(48,68.05) ; v1(73.45,41.5) 73.32,41.37 U5.80 ; v1(10.4,12.1) 11.1,11.4 U6.48 ; U5.122 72.68,68.58 v1(71.75,67.65) ; 70.07,70.26 70.07,67.67 v1(70.1,67.65) ; U6.18 9.1,15.4 v1(9.4,15.1) 10.3,16 U6.15 ; U5.42 48.62,40.37 49.35,41.1 v1(49.8,41.1) ; v1(68.8,67.65) 68.78,67.68 U5.128 ; v1(7.4,12.1) 6.7,11.4 U6.36 ; v1(59.05,41.1) 59.03,41.07 U5.58 ; v1(72.7,42.15) 72.68,42.12 U5.79 ; v1(7.4,15.1) 6.7,15.8 U6.25 ; v1(54.05,41.1) 53.82,40.87 U5.50 ; v1(10.4,15.1) 10.7,15.4 U6.14 ; v1(10.4,15.1) 11.1,15.8 U6.13 ; U6.4 10.9,12.6 v1(10.4,13.1) 11.1,13.8 U6.7 ; v1(10.4,14.1) 10.9,14.6 U6.9 ; U5.7 48.44,63.27 49.1,62.61 ; v1(29.3,53.82) U4.24
  Top w0.4: U5.1 47.03,67.52 v1(47.25,67.3) ; R2.2 30.9,64.2 v1(30.15,63.45) 30.9,62.7 C2.1 ; C56.2 35.5,77.2 v1(36.75,77.2) ; C56.2 35.5,78.6 v1(36.75,78.6) ; C56.2 v1(36.75,77.9) ; v2(27.22,24.1) 26.23,25.09 24.83,25.09 ; C12.1 26.75,70.76 v1(26.75,70.25) ; C12.1 C13.1 v1(25.65,70.55) ; C12.1 v1(27.45,70.25) ; C12.1 28.15,70.76 v1(28.15,70.25) ; C10.2 25.95,67.27 v1(25.95,67.9) ; C10.2 v1(26.65,67.9) ; C10.2 27.35,67.27 v1(27.35,67.9) ; U5.121 73.67,67.87 v1(72.6,66.8) ; v1(49.11,54.24) 47.74,52.87 47.03,52.87 ; 13.33,40.82 14.67,40.82 v1(14.9,40.6) ; R7.1 31.16,70.61 v1(31.15,70.6) ; 18.17,74.39 18.17,73.52 v1(18.2,73.5) v1(18.95,73.5) v1(19.7,73.5) ; v1(15.65,51.85) 15.62,51.87 13.33,51.87 ; C54.2 26.36,25.09 24.83,25.09 ; 31.38,42.77 29.08,42.77 v1(29.05,42.75) ; v1(15.03,57.07) 13.33,57.07 ; U7.16 24.28,6.19 v1(24.28,6.2) ; 24.83,25.09 24.83,26.36 ; 22.03,60.42 22.03,58.99 v1(22.24,58.77) ; v1(40.95,59.4) 40.95,60.05 C43.2 40.15,60.02 v1(40.15,59.4)
  Top w0.45: C22.2 v1(43.25,83.8) ; v1(69.28,74.4) 69.27,74.41 Y1.4 ; v1(64.87,76.59) 64.87,76.59 Y1.2 ; C32.1 v1(67.17,81) ; U5.41 47.63,40.38 v1(49.05,41.8)
  Top w0.65: C42.2 38.55,59.8 39.19,60.44 C43.2 ; C42.2 37.95,58.43 v1(37.95,57.9) ; C42.2 39.1,58.48 v1(39.1,57.9) ; 13.4,77.89 v1(13,78.29) ; 13.4,77.89 v1(13.8,78.29) ; 13.4,77.89 v1(13.4,77.64) ; 82.5,79.6 v1(82.9,80) ; v1(7.05,25.45) 7.05,24.8 v1(7.3,24.55) v1(8,25.25) 7.8,25.45 v1(7.05,25.45) ; v1(7.05,25.45) U9.1
  Top w0.9: v1(82.9,80) v1(82.9,79.2) 82.5,79.6 v1(82.25,79.6) ; v1(82.25,79.6) 83.25,80.6 C53.2 ; v1(82.25,79.6) U1.1 ; v1(71.05,81.5) C40.2 v1(71.05,79.4) ; v1(13,78.29) 13,78.04 v1(13.4,77.64) ; 14.73,74.1 14.73,74.88 C38.2 13.31,76.81 13.4,76.9 v1(13.4,77.64) ; v1(14.45,63.5) 13.87,64.08 v1(13.87,64.8) 15.65,66.58 15.65,70.4 14.75,71.3 U8.1 ; 77.27,73.68 C39.2 ; v1(13.4,77.64) 13.8,78.04 v1(13.8,78.29)
  In1.Cu w0.4: 50.63,87.9 50.69,87.84 53.28,87.84 54.53,89.09 55.72,87.9 ; 50.63,87.9 50.65,87.9 ; 50.63,87.9 J3.7 48.25,87.9 48.25,87.9
  In1.Cu w0.5: J5.38 96.26,70.85
  In1.Cu w0.65: 45.41,85.5 44.37,86.55 43.28,85.47
  Bottom w0.2: 29.8,45.4 30.8,45.4 ; v1(73.45,41.5) C50.2
  Bottom w0.4: R24.1 R22.1 ; C27.1 v1(39.25,20.85) ; v1(18.2,73.5) v1(19.7,73.5) 20.65,74.45 C57.2 21.46,75.51 v1(21.5,75.55) ; C14.2 v1(22.35,65.05) C11.2 ; U11.16 43.26,15.54 C26.1 ; C60.2 67.05,66.04 v1(67.45,66.43)
  Bottom w0.45: C70.2 52.5,2.85 v1(52.5,2.85) ; v1(63.3,2.85) 63.31,2.84 C72.2 ; C28.2 v1(54.85,65.63) ; v1(41.7,2.85) 41.71,2.84 C71.2 ; C29.2 50.65,65.64 v1(50.64,65.65) ; 21.35,64.05 21.35,63.91
  Bottom w0.65: v1(2.45,23.1) v1(2.45,24.4) ; 2.9,20.8 C45.2 v1(1.85,20.8) ; 2.9,20.8 v1(2.1,21.6) ; 2.9,20.8 v1(2.1,20) ; C44.1 4.75,24.46 v1(4.75,23.1)
  Bottom w0.9: C74.2 80.05,82.9 v1(78.05,82.9) v1(78.05,83.7) 78.65,83.1 C74.2
  vias: v1(4.75,24.4) v1(4.75,6.77) v1(7.15,6.9) v1(7.4,14.1) v1(7.4,13.1) v1(8.4,15.1) v1(8.4,14.1) v1(8.4,13.1) v1(8.4,12.1) v1(9.4,14.1) v1(9.4,13.1) v1(10.05,4.8) v1(12.45,5) v1(15.85,40.1) v1(16.45,52.5) v1(16.45,51.1) v1(16.55,57.1) v1(17.15,51.8) v1(17.24,53.82) v1(17.24,38.9) v1(18.1,65.85) v1(18.1,64.25) v1(20.94,48.6) v1(21.64,49.31) v1(21.64,47.89) v1(22.35,50.01) v1(22.35,48.6) v1(22.35,47.19) v1(23.06,49.31) v1(23.06,47.89) v1(23.35,32.1) v1(23.45,52.4) v1(23.76,48.6) v1(24.28,7.2) v1(26.83,14.26) v1(27.65,40.15) v1(27.75,55.1) v1(28.2,43.25) v1(29,43.8) v1(38.9,41.5) v1(39.8,56.15) v1(41.25,45.5) v1(42.25,12.9) v1(42.25,10.3) v1(42.25,7.7) v1(45.25,83.8) v1(47.25,83.8) v1(47.65,66.2) v1(48.25,67) v1(49.07,79.77) v1(49.05,67.7) v1(49.1,63.8) v1(49.1,62.6) v1(49.1,56.6) v1(49.1,55.55) v1(50.05,21.7) v1(50.05,13.9) v1(50.05,10.5) v1(50.05,7.7) v1(50.05,5.3) v1(50.25,42.1) v1(50.32,43.5) v1(50.85,83.8) v1(50.85,41.2) v1(51.25,42.3) v1(51.85,41.3) v1(52.35,42.3) v1(52.68,79.77) v1(52.94,58.79) v1(53.55,42.3) v1(53.65,59.5) v1(53.65,58.09) v1(54.36,58.79) v1(54.47,83.8) v1(54.75,42.2) v1(55.15,41.2) v1(56.05,41.9) v1(56.28,79.77) v1(56.75,41) v1(57.25,83.8) v1(58.05,41.4) v1(58.94,57) v1(59.05,42.1) v1(59.64,57.71) v1(59.64,56.29) v1(60.05,41.4) v1(60.35,58.41) v1(60.35,57) v1(60.35,55.59) v1(60.85,24.5) v1(60.85,21.7) v1(61.06,57.71) v1(61.06,56.29) v1(61.76,57) v1(62.25,12.9) v1(62.25,10.3) v1(62.25,7.7) v1(63.35,43) v1(64.81,42.99) v1(68.35,50.1) v1(68.65,66.7) v1(69.06,50.81) v1(69.06,49.39) v1(69.45,67.1) v1(69.76,50.1) v1(70,62.05) v1(70.25,66.7) v1(70.65,21.9) v1(70.95,67.3) v1(71.01,62.65) v1(71.01,61.55) v1(71.85,13.1) v1(71.85,10.5) v1(71.85,7.9) v1(71.85,5.3) v1(72,62.05) v1(72.69,43.04) v1(73.35,56.8) v1(74.1,2.85) v1(74.15,57.4) v1(74.25,56.4) v1(77.25,73.7) v1(77.4,71.5) v1(78.45,73.7) v2(36,87.2) v2(36,83.4)
/A0: length 108.9
  Top w0.2: U5.135 64.22,71.87 v2(64.46,72.28) ; v2(30,36.35) 30,35.45 29.5,34.95 28.25,34.95 27.88,35.32 27.88,36.27
  In2.Cu w0.2: J6.62 91.18,81 89.4,81 85.29,76.89 74.64,76.89 69.9,72.15 64.59,72.15 v2(64.46,72.28) 64.46,72.56 57.92,79.1 47.02,79.1 30,62.08 v2(30,36.35)
/A1: length 142.2
  Top w0.2: 28.53,36.27 28.97,36.27 30.45,37.75 v2(30.75,37.75) ; v2(18.25,8.85) 19.98,8.85 U7.11 ; v2(63.68,72.45) 63.57,71.8 63.57,70.26
  In2.Cu w0.2: J6.60 91.22,78.5 87.65,78.5 85.6,76.45 74.9,76.45 70.13,71.68 64.21,71.68 63.68,72.21 v2(63.68,72.45) 63.68,72.77 57.75,78.7 47.18,78.7 30.4,61.91 30.4,38.1 v2(30.75,37.75) 30.75,32.81 16.48,18.54 16.48,10.62 v2(18.25,8.85)
/A2: length 137.3
  Top w0.2: v2(31.44,38.15) 31.38,38.22 U4.1 ; U5.137 62.93,72.16 v2(62.93,72.16) ; U7.10 19.97,10.15 v2(18.25,10.15)
  In2.Cu w0.2: J6.58 91.3,76.05 88.63,76.05 84.88,72.3 76.85,72.3 75.65,71.1 63.99,71.1 v2(62.93,72.16) 62.93,72.96 57.59,78.3 47.35,78.3 47.27,78.22 30.8,61.75 30.8,38.82 31.44,38.17 v2(31.44,38.15) 31.45,38.15 31.45,32.94 16.88,18.37 16.88,11.52 v2(18.25,10.15)
/A3: length 137.6
  Top w0.2: U5.138 62.28,72.62 v2(62.28,72.62) ; v2(18.25,11.4) U7.9 ; v2(32.26,37.9) 32.75,38.39 32.75,39.15 32.38,39.52 U4.2
  In2.Cu w0.2: v2(18.25,11.4) 17.28,12.37 17.28,18.21 31.85,32.78 31.85,36.5 32.26,36.91 v2(32.26,37.9) 32.26,38.19 31.2,39.25 31.2,61.58 47.44,77.82 47.51,77.9 57.42,77.9 62.28,73.04 v2(62.28,72.62) 62.28,71.97 63.54,70.7 86.25,70.7 88.95,73.4 91.19,73.4 J6.56
/A4: length 133.1
  Top w0.2: U7.8 19.97,12.65 v2(18.25,12.65) ; U4.4 32.29,40.82 v2(32.8,40.32) ; v2(61.65,72.12) 61.62,72.09 U5.139
  In2.Cu w0.2: 32.86,40.26 31.6,41.52 31.6,61.42 47.68,77.5 57.23,77.5 57.31,77.42 57.33,77.42 61.65,73.1 v2(61.65,72.12) 61.65,71.96 63.31,70.3 88.15,70.3 88.65,70.8 91.13,70.8 J6.54 ; 32.86,40.26 32.86,36.86 32.25,36.25 32.25,32.61 17.68,18.04 17.68,13.22 v2(18.25,12.65) ; 32.86,40.26 v2(32.8,40.32)
/A5: length 132.2
  Top w0.2: 31.38,41.47 31.45,41.4 32.84,41.4 v2(33.2,41.04) ; v2(60.99,72.56) 60.97,72.54 U5.140 ; v2(18.27,13.95) 18.28,13.94 U7.7
  In2.Cu w0.2: J6.52 91.18,68.3 64.55,68.3 60.99,71.86 v2(60.99,72.56) 60.99,73.2 57.17,77.02 57.14,77.02 57.07,77.1 47.84,77.1 32,61.25 32,42.24 v2(33.2,41.04) 33.4,40.84 33.4,36.8 32.64,36.04 32.64,32.44 18.25,18.05 18.25,13.97 v2(18.27,13.95)
/A6: length 130.9
  Top w0.2: v2(33.46,41.8) 32.9,41.8 32.57,42.12 U4.6 ; v2(18.95,17.8) 18.35,17.2 18.35,15.8 18.94,15.21 U7.6 ; U5.141 60.32,72.1 v2(60.33,72.1)
  In2.Cu w0.2: v2(18.95,17.8) 18.95,18.18 33.04,32.28 33.04,35.84 33.8,36.6 33.8,41.46 v2(33.46,41.8) 33.08,41.8 32.4,42.48 32.4,61.09 48.01,76.7 56.9,76.7 60.33,73.27 v2(60.33,72.1) 60.33,71.8 66.36,65.76 91.18,65.76 J6.50
/A7: length 128.2
  Top w0.2: v2(59.65,73.1) 59.68,73.07 U5.142 ; v2(19.98,18.37) 19.98,16.49 U7.5 ; U4.8 32.92,43.42 v2(33,43.5)
  In2.Cu w0.2: J6.48 91.3,63.35 68.04,63.35 59.68,71.71 59.68,73.07 v2(59.65,73.1) 56.45,76.3 48.17,76.3 32.97,61.1 32.97,43.53 v2(33,43.5) 33.4,43.5 34.2,42.7 34.2,36.43 33.44,35.68 33.44,32.11 19.98,18.65 v2(19.98,18.37)
/A8: length 126.3
  Top w0.2: U5.144 58.38,72.97 v2(58.35,73) ; U7.4 21.74,19.56 v2(22.36,20.19) ; U4.9 32.62,44.07 33.4,44.85 v2(33.64,44.85)
  In2.Cu w0.2: v2(22.36,20.19) 22.36,20.47 33.84,31.95 33.84,35.39 34.6,36.15 34.6,43.82 33.64,44.78 v2(33.64,44.85) 33.48,45.01 33.48,61.04 48.34,75.9 55.45,75.9 v2(58.35,73) 58.35,72.25 69.8,60.8 84.65,60.8 84.75,60.7 91.19,60.7 J6.46
/A9: length 127.2
  Top w0.2: U5.145 57.72,72.07 v2(57.77,72.11) ; U4.10 32.67,44.72 33.47,45.52 v2(34.08,45.52) ; v2(28.75,16.48) U7.29
  In2.Cu w0.2: J6.44 91.3,58.27 71.47,58.27 57.77,71.97 v2(57.77,72.11) 57.77,72.73 55,75.5 48.5,75.5 34.08,61.07 v2(34.08,45.52) 34.24,45.36 34.24,44.74 35,43.98 35,35.98 34.24,35.23 34.24,29.68 28.75,24.19 v2(28.75,16.48)
/A10: length 136.3
  Top w0.2: v2(57.1,72.55) 57.07,72.52 57.07,70.26 ; v2(34.84,34.32) 34.67,34.15 27.45,34.15 26.58,35.02 26.58,36.27 ; v2(29.08,15.21) U7.28
  In2.Cu w0.2: v2(29.08,15.21) 29.35,15.48 29.35,18.2 29.15,18.4 29.15,24.02 34.85,29.72 34.85,34.82 ; J6.42 91.25,55.67 73.34,55.67 57.1,71.91 v2(57.1,72.55) 57.1,72.7 54.7,75.1 48.67,75.1 34.67,61.1 34.67,44.87 35.4,44.15 35.4,35.82 34.84,35.26 v2(34.84,34.32)
/A11: length 140.9
  Top w0.2: 27.22,36.27 27.22,35.17 27.85,34.55 34.22,34.55 34.67,35 v2(35.45,35) ; U7.24 31.09,10.15 v2(29.35,10.15) ; U5.147 56.43,72.07 v2(56.44,72.09)
  In2.Cu w0.2: v2(56.44,72.09) 56.45,72.1 56.45,72.79 54.54,74.7 48.84,74.7 35.07,60.94 35.07,45.04 35.8,44.32 35.8,35.35 v2(35.45,35) 35.45,29.75 29.55,23.85 29.55,18.57 29.75,18.37 29.75,14.78 28.72,13.75 28.72,10.78 v2(29.35,10.15) ; 56.45,72.1 56.45,71.79 75.05,53.19 91.3,53.19 92.45,54.33
/A12: length 130.4
  Top w0.2: U7.27 29.96,13.94 v2(29.42,13.4) ; U5.148 55.78,72.54 v2(55.79,72.55) ; v2(35.68,45.28) 36.47,44.49 U3.4
  In2.Cu w0.2: J6.38 91.3,50.65 76.8,50.65 55.79,71.66 v2(55.79,72.55) 55.79,72.86 54.35,74.3 49,74.3 35.55,60.85 35.55,45.41 v2(35.68,45.28) 36.2,44.76 36.2,29.94 29.95,23.69 29.95,18.73 30.15,18.53 30.15,14.13 v2(29.42,13.4)
/A13: length 129.7
  Top w0.2: v2(36.55,45.3) 36.55,45 37.12,44.42 U3.3 ; U7.3 23.01,19.66 24.05,20.7 30.61,20.7 v2(30.62,20.71) ; v2(55.14,72.09) 55.12,72.08 U5.149
  In2.Cu w0.2: v2(30.62,20.71) 30.62,23.8 36.6,29.77 36.6,45.25 v2(36.55,45.3) 36.1,45.75 36.1,60.83 49.17,73.9 54.05,73.9 55.14,72.81 v2(55.14,72.09) 55.14,71.71 78.85,48 91.19,48 J6.36
/A14: length 125.1
  Top w0.2: v2(37.23,45.84) 37.23,45.08 37.78,44.53 U3.2 ; U7.30 29.36,19.01 29.95,19.6 v2(31.15,19.6) ; U5.150 54.47,72.54 v2(54.48,72.55)
  In2.Cu w0.2: v2(31.15,19.6) 31.4,19.85 31.4,24.01 37,29.61 37,44.75 37.23,44.98 v2(37.23,45.84) 36.65,46.42 36.65,60.82 49.33,73.5 53.55,73.5 54.48,72.57 v2(54.48,72.55) 54.48,71.77 79.05,47.2 79.55,47.2 81.18,45.57 91.3,45.57 J6.34
